# Allegro board FEE5_10_30.brd (continued)
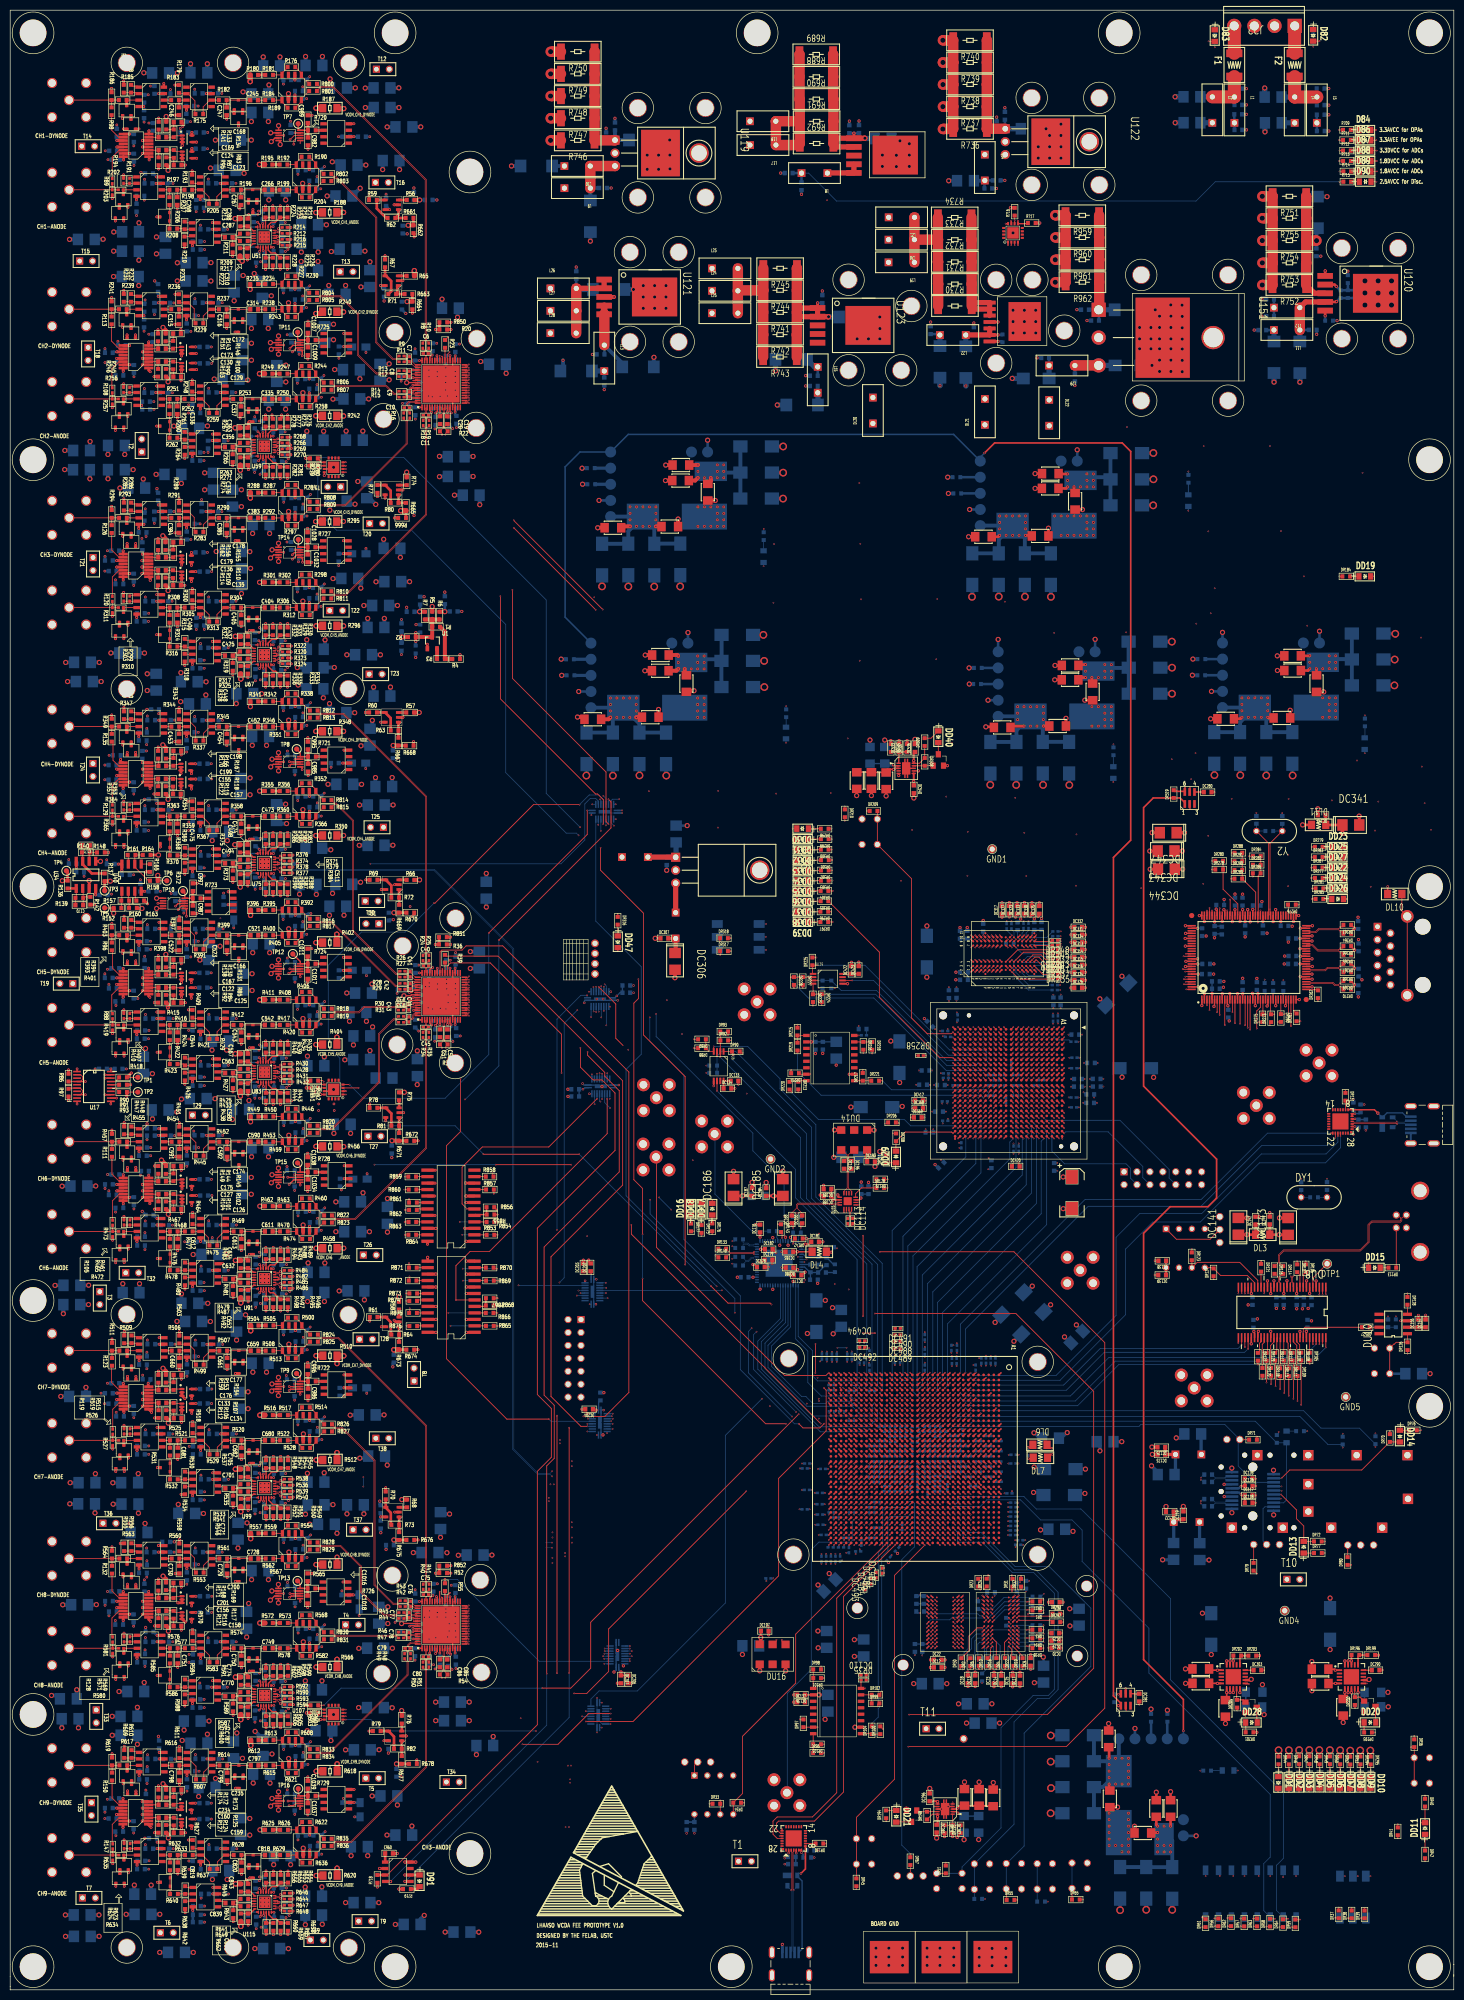
[diagram p0: board, top side]
## Routing (per net, layer and track width the routed paths; a pad name or vN(x,y) marks a point on that pad's centre or on a via; arc(x,y) is an arc through that point) (continued)
A7_S6_DATA12: length 57.4
  TOP w0.152: DU37.P19 v1(193.2,170.18) ; DU4.V1 v1(176.79,121.19)
  S2 w0.152: v1(176.79,121.19) 176.79,136.73 193.71,153.65 193.71,169.67 v1(193.2,170.18)
A7_S6_DATA13: length 60.5
  TOP w0.152: DU4.Y3 v1(174.79,119.19) ; DU37.T18 v1(191.2,171.18)
  BOTTOM w0.152: v1(191.2,171.18) 190.69,170.67 190.69,160.41 176.33,146.05 176.33,119.94 176.03,119.63 175.24,119.63 v1(174.79,119.19)
A7_S6_DATA14: length 56.6
  TOP w0.152: DU37.V20 v1(189.2,169.18) ; DU4.Y2 v1(174.79,120.19)
  BOTTOM w0.152: v1(189.2,169.18) 189.69,168.68 189.69,162.28 175.37,147.96 175.37,120.77 v1(174.79,120.19)
A7_S6_DATA15: length 58.4
  TOP w0.152: DU4.V3 v1(176.79,119.19) ; DU37.M21 v1(195.2,168.18)
  S2 w0.152: v1(195.2,168.18) 195.22,168.18 195.85,167.54 195.85,152.49 178.07,134.71 178.07,120.47 v1(176.79,119.19)
A7_S6_DATA16: length 0.6
  TOP w0.152: DU37.W20 v1(188.2,169.18)
  S2 w0.152: 188.2,169.15 v1(188.2,169.18)
A7_S6_DATA17: length 59.5
  TOP w0.152: DU4.AA4 v1(173.79,118.19) ; DU37.U20 v1(190.2,169.18)
  S2 w0.152: v1(173.79,118.19) 174.27,118.67 174.27,140.95 190.71,157.39 190.71,168.66 v1(190.2,169.18) 190.2,169.15
A7_S6_DATA18: length 59.7
  TOP w0.152: DU4.AB5 v1(172.79,117.19) ; DU37.R22 v1(192.2,167.18)
  S5 w0.152: v1(192.2,167.18) 192.2,164.75 172.24,144.8 172.24,117.73 v1(172.79,117.19)
A7_S6_DATA19: length 60.2
  TOP w0.152: DU4.AB4 v1(172.79,118.19) ; DU37.T20 v1(191.2,169.18)
  S4 w0.152: v1(172.79,118.19) 172.34,118.64 172.34,146.05 190.67,164.38 190.67,168.65 v1(191.2,169.18)
A7_S6_DATA20: length 58.5
  TOP w0.152: DU37.U19 v1(190.2,170.18) ; DU4.AB2 v1(172.79,120.19)
  S2 w0.152: v1(190.2,170.18) 190.14,170.18 189.77,169.8 189.77,158.52 173.21,141.96 173.21,120.61 v1(172.79,120.19)
A7_S6_DATA21: length 56.3
  TOP w0.152: DU4.AB1 v1(172.79,121.19) ; DU37.T21 v1(191.2,168.18)
  S4 w0.152: v1(191.2,168.18) 191.75,167.62 191.75,164 172.79,145.04 v1(172.79,121.19)
A7_S6_DATA22: length 56.6
  TOP w0.152: DU4.AA3 v1(173.79,119.19) ; DU37.Y21 v1(187.2,168.18)
  BOTTOM w0.152: v1(173.79,119.19) 173.26,119.72 173.26,149.09 187.72,163.55 187.72,167.65 v1(187.2,168.18) 187.2,168.17
A7_S6_DATA23: length 54.2
  TOP w0.152: DU37.W22 v1(188.2,167.18) ; DU4.AA2 v1(173.79,120.19)
  S3 w0.152: v1(173.79,120.19) 174.33,120.72 174.33,148.55 188.2,162.42 v1(188.2,167.18)
A7_S6_DATA24: length 0.6
  TOP w0.152: DU37.V22 v1(189.2,167.18)
A7_S6_DATA25: length 57.9
  TOP w0.152: DU4.AC1 v1(171.79,121.19) ; DU37.V19 v1(189.2,170.18)
  S4 w0.152: v1(171.79,121.19) 171.79,146.83 189.72,164.75 189.72,169.66 v1(189.2,170.18)
A7_S6_DATA26: length 0.6
  TOP w0.152: v1(191.2,172.18) DU37.T17
A7_S6_DATA27: length 0.6
  TOP w0.152: DU37.V21 v1(189.2,168.18)
A7_S6_DATA28: length 65.7
  TOP w0.152: DU37.R17 v1(192.2,172.18) ; DU4.AB6 v1(172.79,116.19)
  S5 w0.152: v1(192.2,172.18) 192.75,171.62 192.75,163.05 173.34,143.63 173.34,116.73 v1(172.79,116.19)
A7_S6_DATA29: length 63.7
  TOP w0.152: DU37.R20 v1(192.2,169.18) ; DU4.AA7 v1(173.79,115.19)
  S4 w0.152: v1(192.2,169.18) 192.7,168.68 192.7,162.72 173.3,143.32 173.3,115.68 v1(173.79,115.19)
A7_S6_DATA30: length 0.6
  TOP w0.152: DU37.Y22 v1(187.2,167.18)
A7_S6_DATA31: length 0.6
  TOP w0.152: v1(190.2,167.18) DU37.U22
A7_SFP_CLK_C_N1: length 57.6
  TOP w0.102: DC114.1 165.28,150.25 v1(165.28,149.99)
  TOP w0.152: DU4.G18 v1(188.65,103.32)
  S1 w0.102: v1(165.28,149.99) 165.28,149.89 165.13,149.73 165.13,149.1 188.26,125.97 188.26,103.72 v1(188.65,103.32)
A7_SFP_CLK_C_N2: length 0.6
  TOP w0.152: DU4.G20 v1(188.65,101.32)
A7_SFP_CLK_C_P1: length 57.6
  TOP w0.102: DC113.1 164.77,150.26 v1(164.77,149.99)
  TOP w0.152: DU4.H18 v1(187.65,103.32)
  S1 w0.102: v1(187.65,103.32) 188.05,103.72 188.05,125.88 164.92,149.01 164.92,149.74 164.77,149.89 v1(164.77,149.99)
A7_SFP_CLK_C_P2: length 0.6
  TOP w0.152: DU4.H20 v1(187.65,101.32)
A7_SFP_CLK_N: length 2
  TOP w0.102: DU15.4 165.28,152.91 165.13,152.77 165.13,151.83 DC114.2
A7_SFP_CLK_P: length 2
  TOP w0.102: DU15.3 164.78,152.91 164.92,152.77 164.92,151.83 DC113.2
A7_SFP_LOS: length 78.7
  TOP w0.152: DU4.G11 v1(188.65,111.19)
  BOTTOM w0.152: 248.24,95.62 248.25,95.61 ; 248.24,95.62 250.13,95.62 250.73,96.22 DD12.2 250.72,107.41 DR73.1 244.57,111.65 189.12,111.65 v1(188.65,111.19) ; 248.24,95.62 DU5.8
A7_SFP_RX_N: length 49.2
  TOP w0.102: DU4.E21 v1(190.65,100.32)
  S5 w0.102: v1(233.86,95.52) 233.81,95.52 233.67,95.66 205.58,95.66 199.55,101.69 190.33,101.69 190.26,101.61 190.26,100.71 v1(190.65,100.32)
  BOTTOM w0.102: DC131.2 234.35,94.95 233.86,95.43 v1(233.86,95.52)
A7_SFP_RX_P: length 49.5
  TOP w0.102: DU4.F21 v1(189.65,100.32)
  S5 w0.102: v1(233.88,95.97) 233.88,95.96 233.8,95.88 205.67,95.88 199.64,101.9 190.24,101.9 190.05,101.7 190.05,100.72 v1(189.65,100.32)
  BOTTOM w0.102: DC129.1 234.27,96.36 v1(233.88,95.97)
A7_SFP_SCL: length 96.9
  TOP w0.152: DU4.K10 v1(185.65,112.19)
  S2 w0.152: v1(261.77,106.49) 259.13,106.49 250.65,98.01 v1(249.75,98.01)
  BOTTOM w0.152: v1(261.77,106.49) DR75.1 258.85,107.09 253.34,112.6 186.07,112.6 v1(185.65,112.19) ; DU5.5 248.24,98.01 v1(249.75,98.01)
A7_SFP_SDA: length 109.1
  TOP w0.152: DU4.H8 v1(187.65,114.19)
  S4 w0.152: v1(268.19,106.62) 268.19,104.5 265.51,101.82 254.46,101.82 251.49,98.85 v1(249.73,98.85)
  BOTTOM w0.152: v1(249.73,98.85) 248.21,98.85 DU5.4 ; v1(187.65,114.19) 188.12,113.72 254.06,113.72 257.49,110.29 265.06,110.29 DR74.1 v1(268.19,106.62)
A7_SFP_TX_N: length 44.8
  TOP w0.102: DU4.A23 v1(194.65,98.32)
  S1 w0.102: v1(233.89,100.57) 233.78,100.57 233.67,100.46 209.37,100.46 205.32,96.41 194.71,96.41 194.26,96.85 194.26,97.93 v1(194.65,98.32)
  BOTTOM w0.102: v1(233.89,100.57) 233.89,100.65 234.41,101.17 DC132.1
A7_SFP_TX_P: length 45
  TOP w0.102: DU4.B23 v1(193.65,98.32)
  S1 w0.102: v1(193.65,98.32) 194.05,97.93 194.05,96.76 194.62,96.19 205.41,96.19 209.46,100.24 233.66,100.24 233.76,100.13 v1(233.88,100.13)
  BOTTOM w0.102: DC130.1 234.37,99.74 233.97,100.13 v1(233.88,100.13)
A7_SFP_TXDISABLE: length 74.5
  TOP w0.152: DJ4.1 241.59,108.03 DR71.1 ; DU4.L12 v1(184.65,110.19)
  BOTTOM w0.152: v1(184.65,110.19) 185.11,110.64 221.75,110.64 222.1,111 238.62,111 DJ4.1 241.23,107.76 241.23,102.85 244.43,99.65 DU5.3
A7_TCK: length 68
  TOP w0.152: DU4.AE12 v1(169.79,110.19)
  S3 w0.152: v1(169.79,110.19) 169.34,109.74 130.73,109.74 115.19,125.28 110.84,125.28 DJ2.6
A7_TDI: length 66.7
  TOP w0.152: DU4.AE14 v1(169.79,108.19)
  S3 w0.152: DJ2.10 110.69,120.36 115.03,120.36 127.66,107.73 169.34,107.73 v1(169.79,108.19)
A7_TDO: length 68.3
  TOP w0.152: DU4.AD13 v1(170.79,109.19)
  S3 w0.152: v1(170.79,109.19) 170.3,108.7 129.23,108.7 115.35,122.59 111,122.59 DJ2.8
A7_TMS: length 69
  TOP w0.152: DU4.AE13 v1(169.79,109.19)
  S5 w0.152: v1(169.79,109.19) 169.19,109.78 151.36,109.78 149.82,111.33 148.4,111.33 147.3,112.42 130.59,112.42 115.17,127.84 110.82,127.84 DJ2.4
A7_USB_DATA0: length 65.4
  TOP w0.152: DU4.G7 v1(188.65,115.19) ; DU8.25 v1(243.18,136.79)
  S2 w0.152: v1(188.65,115.19) 189.06,115.59 210.77,115.59 229.83,134.65 241.31,134.65 243.18,136.51 v1(243.18,136.79)
A7_USB_DATA1: length 65.8
  TOP w0.152: DU4.H6 v1(187.65,116.19) ; DU8.26 v1(242.54,136.73)
  S5 w0.152: v1(187.65,116.19) 188.22,115.62 208,115.62 227.45,135.07 240.96,135.07 242.54,136.65 v1(242.54,136.73)
A7_USB_DATA2: length 63.6
  TOP w0.152: DU8.27 v1(241.91,136.82) ; DU4.G6 v1(188.65,116.19)
  S2 w0.152: v1(241.91,136.82) 241.91,136.75 241.07,135.92 225.66,135.92 206.43,116.69 189.15,116.69 v1(188.65,116.19)
A7_USB_DATA3: length 64.5
  TOP w0.152: DU8.28 v1(241.27,136.75) ; DU4.J4 v1(186.65,118.19)
  S5 w0.152: v1(241.27,136.75) 226.54,136.75 207.52,117.73 187.11,117.73 v1(186.65,118.19)
A7_USB_DATA4: length 56.1
  TOP w0.152: DU4.F2 v1(189.65,120.19) ; v1(241.25,127.03) 241.27,127.05 DU8.29
  S4 w0.152: v1(241.25,127.03) 211.67,127.03 205.27,120.63 190.09,120.63 v1(189.65,120.19)
A7_USB_DATA5: length 57.7
  TOP w0.152: v1(241.9,126.63) 241.91,126.63 DU8.30 ; DU4.F3 v1(189.65,119.19)
  BOTTOM w0.152: v1(241.9,126.63) 241.2,125.92 214.12,125.92 206.94,118.75 190.09,118.75 v1(189.65,119.19)
A7_USB_DATA6: length 59.7
  TOP w0.152: DU4.G4 v1(188.65,118.19) ; DU8.31 242.54,126.23 v1(242.53,126.22)
  S4 w0.152: v1(242.53,126.22) 241.66,125.35 216.08,125.35 209.43,118.71 189.17,118.71 v1(188.65,118.19)
A7_USB_DATA7: length 61.9
  TOP w0.152: DU4.H4 v1(187.65,118.19) ; DU8.32 243.18,125.87 v1(243.16,125.85)
  BOTTOM w0.152: v1(243.16,125.85) 242.49,125.18 214.91,125.18 207.46,117.72 188.11,117.72 v1(187.65,118.19)
A7_USB_DATA8: length 73.1
  TOP w0.152: DU4.G5 v1(188.65,117.19) ; DU8.52 v1(255.9,126.75)
  S4 w0.152: v1(188.65,117.19) 189.09,117.62 211.69,117.62 218.78,124.72 253.87,124.72 v1(255.9,126.75)
A7_USB_DATA9: length 76.2
  TOP w0.152: DU4.J5 v1(186.65,117.19) ; DU8.53 v1(256.54,126.78)
  BOTTOM w0.152: v1(256.54,126.78) 253.94,124.18 215.84,124.18 208.28,116.61 187.22,116.61 v1(186.65,117.19)
A7_USB_DATA10: length 78
  TOP w0.152: DU4.K5 v1(185.65,117.19) ; DU8.54 v1(257.17,126.78)
  S4 w0.152: v1(257.17,126.78) 257.17,126.5 254.57,123.9 223.14,123.9 215.88,116.63 186.2,116.63 v1(185.65,117.19)
A7_USB_DATA11: length 79.1
  TOP w0.152: DU4.K6 v1(185.65,116.19) ; DU8.55 v1(257.81,126.79)
  S4 w0.152: v1(257.81,126.79) 257.81,126.32 254.7,123.22 227.11,123.22 219.59,115.69 186.14,115.69 v1(185.65,116.19)
A7_USB_DATA12: length 78.9
  TOP w0.152: DU8.56 v1(258.44,126.14) ; DU4.J6 v1(186.65,116.19)
  BOTTOM w0.152: v1(186.65,116.19) 187.22,115.62 209.24,115.62 217.07,123.45 255.76,123.45 v1(258.44,126.14)
A7_USB_DATA13: length 85.2
  TOP w0.152: DU8.1 v1(258.44,136.56) ; DU4.J11 v1(186.65,111.19)
  S2 w0.152: v1(186.65,111.19) 187.11,111.64 216.43,111.64 235.09,130.3 253.63,130.3 258.44,135.11 v1(258.44,136.56)
A7_USB_DATA14: length 85.8
  TOP w0.152: DU8.2 v1(257.81,136.54) ; DU4.L10 v1(184.65,112.19)
  S2 w0.152: v1(257.81,136.54) 257.81,135.6 253.31,131.1 233.89,131.1 215.49,112.7 185.17,112.7 v1(184.65,112.19)
A7_USB_DATA15: length 83.3
  TOP w0.152: DU8.3 v1(257.17,136.51) ; DU4.K8 v1(185.65,114.19)
  S2 w0.152: v1(257.17,136.51) 255.95,135.3 247.44,135.3 244.6,132.45 233.47,132.45 214.64,113.63 186.21,113.63 v1(185.65,114.19)
A7_USB_FIFOADR0: length 69.3
  TOP w0.152: DU4.G10 v1(188.65,112.19) ; DR111.2 v1(251.17,116.66)
  S4 w0.152: v1(188.65,112.19) 189.21,111.63 246.14,111.63 v1(251.17,116.66)
A7_USB_FIFOADR1: length 77.1
  TOP w0.152: v1(252.07,116.04) 252.07,123.4 DR110.2 ; DU4.K11 v1(185.65,111.19)
  S5 w0.152: v1(185.65,111.19) 186.21,110.63 246.66,110.63 v1(252.07,116.04)
A7_USB_FLAGA: length 63.4
  TOP w0.152: DR122.2 245.1,122.8 v1(245.08,122.79) ; DU4.J8 v1(186.65,114.19)
  BOTTOM w0.152: v1(245.08,122.79) 217.79,122.79 209.7,114.7 187.17,114.7 v1(186.65,114.19)
A7_USB_FLAGB: length 65.4
  TOP w0.152: DU4.L9 v1(184.65,113.19) ; DR120.2 v1(246,119.88)
  S5 w0.152: v1(184.65,113.19) 185.14,113.67 239.79,113.67 v1(246,119.88)
A7_USB_FLAGC: length 68
  TOP w0.152: DR119.2 v1(246.79,119.24) ; DU4.J9 v1(186.65,113.19)
  S5 w0.152: v1(186.65,113.19) 187.15,112.68 240.23,112.68 v1(246.79,119.24)
A7_USB_FLAGD: length 80.9
  TOP w0.152: DU4.K12 v1(185.65,110.19) ; DR108.2 v1(253.59,114.89)
  S2 w0.152: v1(185.65,110.19) 186.26,109.58 198.61,109.58 200.02,108.18 209.13,108.18 210.54,109.58 248.29,109.58 v1(253.59,114.89)
A7_USB_IFCLK: length 72.2
  TOP w0.152: DU4.K7 v1(185.65,115.19) ; DU8.20 v1(246.35,136.75)
  S2 w0.152: v1(246.35,136.75) 246.35,136.2 243.71,133.57 232.24,133.57 213.32,114.65 186.19,114.65 v1(185.65,115.19)
A7_USB_INT0: length 66.5
  TOP w0.152: DR118.2 v1(247.69,118.92) ; DU4.J10 v1(186.65,112.19)
  S5 w0.152: v1(186.65,112.19) 187.11,111.73 240.5,111.73 v1(247.69,118.92)
A7_USB_INT1: length 67.8
  TOP w0.152: DU4.G9 v1(188.65,113.19) ; DR117.2 248.57,123.46 v1(248.57,118.52)
  S4 w0.152: v1(248.57,118.52) 243.81,113.76 189.23,113.76 v1(188.65,113.19)
A7_USB_PKTEND: length 73
  TOP w0.152: DR109.2 v1(252.88,115.63) ; DU4.H11 v1(187.65,111.19)
  S4 w0.152: v1(252.88,115.63) 247.97,110.72 188.12,110.72 v1(187.65,111.19)
A7_USB_SLOE: length 67.4
  TOP w0.152: DR115.2 v1(249.46,117.93) ; DU4.H9 v1(187.65,113.19)
  S4 w0.152: v1(187.65,113.19) 187.65,113.11 188.03,112.73 244.26,112.73 v1(249.46,117.93)
A7_USB_SLRD: length 81.1
  TOP w0.152: DR106.1 v1(254.5,143.07) ; DU4.J3 v1(186.65,119.19)
  S2 w0.152: v1(254.5,143.07) 254.5,140.29 251.87,137.66 222.49,137.66 203.5,118.67 187.04,118.67 186.65,119.05 v1(186.65,119.19)
A7_USB_SLWR: length 78.4
  TOP w0.152: DR107.1 v1(252.82,143.09) ; DU4.H3 v1(187.65,119.19)
  S5 w0.152: v1(187.65,119.19) 188.11,119.64 207.74,119.64 226.51,138.4 251.6,138.4 252.82,139.63 v1(252.82,143.09)
A7_USB_UART2_CTS: length 98.8
  TOP w0.152: v1(259.5,168.22) 259.5,168.22 DU12.22 ; DU4.J1 v1(186.65,121.19)
  BOTTOM w0.152: v1(259.5,168.22) 247,168.22 233.96,155.19 211.14,155.19 186.65,130.7 v1(186.65,121.19)
A7_USB_UART2_RTS: length 98.3
  TOP w0.152: DU4.H1 v1(187.65,121.19) ; v1(260.31,167.33) 260.31,167.33 DU12.23
  BOTTOM w0.152: v1(187.65,121.19) 187.65,129.74 211.76,153.85 233.91,153.85 245.83,165.77 258.76,165.77 v1(260.31,167.33)
A7_USB_UART2_RX: length 102.7
  TOP w0.152: DU4.G1 v1(188.65,121.19) ; v1(260.81,167.66) 260.81,167.68 DU12.24
  BOTTOM w0.152: v1(188.65,121.19) 189.19,120.65 205.46,120.65 217.24,132.43 217.24,147.77 221.89,152.43 234.08,152.43 245.78,164.13 258.49,164.13 260.81,166.46 v1(260.81,167.66)
A7_USB_UART2_TX: length 102.8
  TOP w0.152: DU12.25 261.31,167.71 261.32,167.71 v1(261.32,167.64) ; DU4.G2 v1(188.65,120.19)
  BOTTOM w0.152: v1(261.32,167.64) 261.32,165.34 258.36,162.38 245.41,162.38 233.79,150.77 224.42,150.77 219.1,145.45 219.1,132.55 206.24,119.69 189.15,119.69 v1(188.65,120.19)
A7_USB_UART_CTS: length 70.4
  TOP w0.152: DU11.22 151.62,31.55 v1(151.62,31.55) ; DU4.Y33 v1(174.79,88.32)
  S2 w0.152: v1(151.62,31.55) 152.57,32.5 157.84,32.5 164.21,38.88 164.21,77.08 174.36,87.23 174.36,87.89 v1(174.79,88.32)
A7_USB_UART_RTS: length 71.6
  TOP w0.152: DU4.AA34 v1(173.79,87.32) 163.71,77.24 163.71,38.85 157.99,33.13 150.95,33.13 150.54,32.72 150.54,31.49 151.3,30.73 DU11.23
A7_USB_UART_RX: length 72.2
  TOP w0.152: v1(151.14,30.24) 151.61,30.24 DU11.24 ; DU4.AA33 v1(173.79,88.32)
  S2 w0.152: v1(173.79,88.32) 173.28,87.81 173.28,86.81 162.94,76.47 162.94,38.94 157.59,33.6 152.25,33.6 150.55,31.9 150.55,30.83 v1(151.14,30.24)
A7_USB_UART_TX: length 73
  TOP w0.152: DU4.AB34 v1(172.79,87.32) 162.37,76.9 162.37,38.72 157.59,33.94 150.67,33.94 149.85,33.12 149.85,30.56 150.68,29.73 DU11.25
A7_USB_WU2: length 72.6
  TOP w0.152: DR112.2 250.28,123.48 v1(250.28,117.17) ; DU4.H12 v1(187.65,110.19)
  S2 w0.152: v1(187.65,110.19) 188.09,110.62 243.73,110.62 v1(250.28,117.17)
A7GNDADC: length 28.8
  TOP w0.254: DU4.V18 177.2,103.75 v1(176.86,103.42) ; v2(199.93,106.52) 200.4,106.52 DL6.2 ; DU4.T17 179.24,104.75 v1(179.59,105.11) ; v1(178.57,105.09) 178.23,104.75 DU4.U17
  S5 w0.254: v2(199.93,106.52) 196.58,106.52 194.45,104.38 180.32,104.38 v1(179.59,105.11) 179.58,105.09 v1(178.57,105.09) 178.54,105.09 176.87,103.42 v1(176.86,103.42)
  BOTTOM w0.254: DC544.2 179.23,104.74 v1(179.59,105.11) ; v2(199.93,106.52) 199.93,105.93 DC543.2
AD9522_CLK_TEST_N: length 11.2
  TOP w0.102: DU15.15 162.82,154.48 154.74,154.48 154.42,154.17 154.42,153.44 153.55,152.57 DC168.2
AD9522_CLK_TEST_P: length 10.9
  TOP w0.102: DU15.16 162.82,154.26 154.83,154.26 154.64,154.08 154.64,153.43 155.57,152.49 DC166.2
AD9522_CLKIN_N: length 37.6
  TOP w0.152: DU4.AM1 v1(162.79,121.19)
  S1 w0.102: v1(154.34,152.55) 154.34,152.45 154.45,152.34 154.45,147.06 163.24,138.27 163.24,120.96 163.14,120.85 162.92,120.85 162.79,120.99 v1(162.79,121.19)
  BOTTOM w0.102: v1(154.34,152.55) 154.34,152.32 DC169.1
AD9522_CLKIN_P: length 37.8
  TOP w0.152: DU4.AL2 v1(163.79,120.19)
  S1 w0.102: v1(163.79,120.19) 163.46,120.52 163.46,138.36 154.66,147.15 154.66,152.35 154.77,152.46 v1(154.77,152.55)
  BOTTOM w0.102: v1(154.77,152.55) 154.77,152.33 DC167.1
AD9522_EEPROM: length 46.1
  TOP w0.152: DU4.AE7 v1(169.79,115.19)
  BOTTOM w0.152: v1(169.79,115.19) 169.32,114.72 169.32,112.84 169.16,112.68 157.58,112.68 148.28,121.98 148.28,126.98 152.3,131 DU13.22
AD9522_NCS: length 35.3
  TOP w0.152: DU4.AF9 v1(168.79,113.19)
  S4 w0.152: v1(156.16,139.42) 159.76,139.42 169.27,129.91 169.27,113.67 v1(168.79,113.19)
  BOTTOM w0.152: DU13.15 v1(156.16,139.42)
AD9522_NPD: length 46.2
  TOP w0.152: DU4.AF12 v1(168.79,110.19)
  BOTTOM w0.152: v1(168.79,110.19) 168.17,109.57 159.16,109.57 146.86,121.86 146.86,127.38 151.3,131.81 DU13.24
AD9522_NRESET: length 49.2
  TOP w0.152: DU4.AE8 v1(169.79,114.19)
  BOTTOM w0.152: DU13.23 151.8,131.51 147.55,127.26 147.55,121.9 158.88,110.56 160.63,110.56 160.63,110.57 168.71,110.57 169.41,111.27 169.41,111.34 169.63,111.57 169.71,111.57 170.34,112.19 170.34,113.64 v1(169.79,114.19)
AD9522_NSYNC: length 37.6
  TOP w0.152: DU4.AD8 v1(170.79,114.19)
  S2 w0.152: v1(170.79,114.19) 170.28,114.69 170.28,131.17 158.54,142.92 v1(156.03,142.92)
  BOTTOM w0.152: DU13.8 v1(156.03,142.92)
AD9522_REF_SEL: length 40.5
  TOP w0.152: DU4.AD9 v1(170.79,113.19)
  S3 w0.152: v1(156.43,143.42) 160.48,143.42 171.2,132.7 171.2,113.59 v1(170.79,113.19)
  BOTTOM w0.152: DU13.7 v1(156.43,143.42)
AD9522_SCLK: length 32.9
  TOP w0.152: DU4.AF8 v1(168.79,114.19)
  S4 w0.152: v1(155.94,138.92) 157.02,137.85 159.85,137.85 168.3,129.4 168.3,114.68 v1(168.79,114.19)
  BOTTOM w0.152: DU13.16 v1(155.94,138.92)
AD9522_SDIO: length 31.6
  TOP w0.152: DU4.AH6 v1(166.79,116.19)
  BOTTOM w0.152: DU13.17 154.8,128.32 157.63,125.49 157.63,120.55 158.61,119.57 165.07,119.57 165.36,119.28 165.36,118.9 165.56,118.69 165.84,118.69 166.41,118.11 166.41,116.57 v1(166.79,116.19)
AD9522_SDO: length 32.6
  TOP w0.152: DU4.AH7 v1(166.79,115.19)
  BOTTOM w0.152: 154.3,138.31 DU13.18 154.3,127.81 156.69,125.43 156.69,119.26 159.34,116.6 165.12,116.6 165.35,116.38 165.35,116.06 165.66,115.75 166.22,115.75 v1(166.79,115.19)
AD9522_SP0: length 40
  TOP w0.152: DU4.AH9 v1(166.79,113.19)
  BOTTOM w0.152: v1(166.79,113.19) 165.39,114.58 156.48,114.58 148.87,122.19 148.87,126.57 152.8,130.5 DU13.21
AD9522_SP1: length 39.1
  TOP w0.152: DU4.AH8 v1(166.79,114.19)
  BOTTOM w0.152: DU13.20 153.3,130.18 149.56,126.44 149.56,122.42 155.5,116.48 156.33,116.48 157.71,115.1 160.17,115.1 160.63,115.57 164.95,115.57 165.41,115.11 165.41,115.03 165.63,114.8 166.17,114.8 v1(166.79,114.19)
ADC1_1_N: length 2.9
  TOP w0.102: U2.46 81.77,320.07 81.77,320.97 82.11,321.31 C6.2 81.84,321.61 81.84,321.96 R10.1
ADC1_1_P: length 2.9
  TOP w0.102: R8.1 81.43,321.96 81.43,321.61 C6.1 81.19,321.31 81.54,320.96 81.54,320.06 U2.47
ADC1_2_N: length 3.4
  TOP w0.102: R11.1 77.76,320.04 78.11,320.04 C7.2 79.44,318.7 79.95,318.7 U2.50
ADC1_2_P: length 4
  TOP w0.102: R9.1 77.86,320.35 78.07,320.35 C7.1 78.96,320.2 78.96,319.72 79.6,319.08 U2.49
ADC1_3_N: length 3.3
  TOP w0.102: 78.42,317.82 78.42,317.76 78.75,317.44 79.92,317.44 U2.52 ; 78.42,317.82 78.07,317.47 77.84,317.47 R13.1 ; 78.42,317.82 C8.2
ADC1_3_P: length 3.2
  TOP w0.102: U2.53 79.92,317.22 78.74,317.22 78.42,316.91 78.42,316.87 ; R12.1 77.77,317.16 78.14,317.16 78.42,316.87 ; 78.42,316.87 C8.1
ADC1_4_N: length 3.2
  TOP w0.102: 78.43,312.81 78.82,313.2 79.94,313.2 U2.61 ; 78.43,312.81 78.43,312.83 78.15,313.12 77.77,313.12 R15.1 ; 78.43,312.81 C9.2
ADC1_4_P: length 3.2
  TOP w0.102: U2.60 79.89,313.41 78.82,313.41 C9.1 78.12,313.48 77.83,313.48 R14.1
ADC1_5_N: length 4.8
  TOP w0.102: U2.63 79.91,311.93 78.29,311.93 77.79,311.44 77.79,311.05 C10.2 77.74,310.34 77.74,310.1 77.31,309.67 R17.1
ADC1_5_P: length 4.5
  TOP w0.102: U2.64 79.92,311.72 78.38,311.72 78.01,311.35 78.01,311.05 78.39,310.67 C10.1 78.1,310.34 78.1,310.02 R16.1
ADC1_6_N: length 3.1
  TOP w0.102: R19.1 81.88,308.59 81.88,308.91 C11.2 82.14,309.23 81.8,309.57 81.8,310.62 U2.3
ADC1_6_P: length 3.1
  TOP w0.102: R18.1 81.56,308.6 81.56,308.85 C11.1 81.22,309.23 81.52,309.53 81.52,310.62 U2.2
ADC2_1_N: length 3
  TOP w0.102: U3.46 81.76,199.82 81.76,200.61 C40.2 81.86,201.41 81.86,201.71 R25.1
ADC2_1_P: length 2.9
  TOP w0.102: R24.1 81.51,201.69 81.51,201.37 C40.1 81.55,200.7 81.55,200.7 81.55,199.83 U3.47
ADC2_2_N: length 3
  TOP w0.102: R27.1 77.59,198.86 77.96,199.23 78.28,199.23 C41.2 78.91,198.92 79.43,198.39 79.99,198.39 U3.50
ADC2_2_P: length 3.4
  TOP w0.102: U3.49 79.98,198.76 79.66,198.76 78.6,199.82 C41.1 78.25,199.58 78.03,199.58 77.58,200.03 R26.1
ADC2_3_N: length 3
  TOP w0.102: R28.1 77.62,197.63 78.04,197.21 78.26,197.21 C42.2 78.97,197.2 79.92,197.2 U3.52
ADC2_3_P: length 3.1
  TOP w0.102: U3.53 79.91,196.98 78.95,196.98 78.61,196.63 C42.1 78.29,196.87 77.97,196.87 R29.1
ADC2_4_N: length 3.4
  TOP w0.102: R31.1 77.65,192.76 77.97,192.76 C43.2 78.71,192.82 79.19,192.82 79.34,192.98 79.91,192.98 U3.61
ADC2_4_P: length 3.4
  TOP w0.102: U3.60 79.91,193.19 79.25,193.19 79.1,193.04 78.7,193.04 C43.1 77.99,193.12 77.71,193.12 R30.1
ADC2_5_N: length 4
  TOP w0.102: U3.63 79.91,191.69 79.34,191.69 79.09,191.44 79.09,190.88 78.93,190.73 78.67,190.73 C44.2 77.98,190.7 77.74,190.7 R32.1
ADC2_5_P: length 4.1
  TOP w0.102: U3.64 79.91,191.47 79.44,191.47 79.3,191.34 79.3,190.79 79.02,190.52 78.7,190.52 78.34,190.15 C44.1 78.01,190.37 77.68,190.37 R33.1
ADC2_6_N: length 3
  TOP w0.102: U3.3 81.76,190.34 81.76,189.38 82.09,189.06 C45.2 81.85,188.75 81.85,188.43 R35.1
ADC2_6_P: length 3
  TOP w0.102: R34.1 81.49,188.42 81.49,188.71 C45.1 81.2,189.06 81.55,189.4 81.55,190.34 U3.2
ADC3_1_N: length 2.9
  TOP w0.102: U4.46 81.78,76.38 81.78,77.26 82.13,77.6 C75.2 81.89,77.91 81.89,78.24 R41.1
ADC3_1_P: length 2.9
  TOP w0.102: R40.1 81.51,78.26 81.51,77.93 C75.1 81.55,77.23 81.55,76.4 U4.47
ADC3_2_N: length 3
  TOP w0.102: U4.50 79.97,74.99 79.39,74.99 79.07,75.31 78.69,75.31 C76.2 78.67,75.35 78.37,75.64 78.05,75.64 77.67,75.26 R42.1
ADC3_2_P: length 3.1
  TOP w0.102: R43.1 77.63,76.42 78.04,76.02 78.38,76.02 C76.1 78.67,76.22 79.48,75.41 80.05,75.41 U4.49
ADC3_3_N: length 3.3
  TOP w0.102: U4.52 79.9,73.75 78.72,73.75 C77.2 78.4,73.98 78.11,73.69 77.76,73.69 R45.1
ADC3_3_P: length 3.3
  TOP w0.102: U4.53 79.93,73.53 78.77,73.53 78.4,73.17 78.4,73.09 ; 78.4,73.09 78.13,73.37 77.8,73.37 R44.1 ; 78.4,73.09 C77.1
ADC3_4_N: length 3.3
  TOP w0.102: R47.1 77.68,69.46 78.03,69.46 78.33,69.16 ; 78.33,69.16 78.33,69.18 78.7,69.54 79.92,69.54 U4.61 ; 78.33,69.16 C78.2
ADC3_4_P: length 3.3
  TOP w0.102: R46.1 77.74,69.81 78,69.81 C78.1 78.33,70.08 78.65,69.76 79.91,69.76 U4.60
ADC3_5_N: length 4.6
  TOP w0.102: U4.63 79.91,68.27 78.63,68.27 78,67.63 78,67.35 77.7,67.05 C79.2 77.88,66.73 77.88,66.43 R49.1
ADC3_5_P: length 4.1
  TOP w0.102: R48.1 78.26,66.41 78.26,66.73 C79.1 78.5,67.05 78.21,67.33 78.21,67.54 78.72,68.05 79.91,68.05 U4.64
ADC3_6_N: length 3.2
  TOP w0.102: R51.1 81.86,64.75 81.86,65.08 C80.2 81.75,65.82 81.75,66.9 U4.3
ADC3_6_P: length 3.2
  TOP w0.102: R50.1 81.47,64.72 81.47,65.09 C80.1 81.54,65.77 81.54,66.92 U4.2
ADC_N_DCO1: length 240.7
  TOP w0.102: v1(90.13,314.58) 90.06,314.58 89.95,314.69 89.36,314.69 U2.23 ; DU4.AL7 164.22,114.75 v1(163.8,115.17)
  S5 w0.102: v1(163.8,115.17) 163.15,115.83 163.15,116.33 162.92,116.56 148.59,116.56 101.54,163.62 101.54,304.51 91.38,314.67 90.24,314.67 90.15,314.58 v1(90.13,314.58)
ADC_N_DCO2: length 168.2
  TOP w0.102: DU4.AL29 v1(163.79,92.32) ; v1(90.14,194.34) 90.04,194.45 89.37,194.45 U3.23
  S4 w0.102: v1(90.14,194.34) 90.25,194.46 91.07,194.46 94.2,191.32 94.2,160.62 94.19,160.61 94.19,160.13 94.2,160.12 94.2,105.23 103.26,96.17 105.59,96.17 v1(105.81,95.96)
  S5 w0.102: v1(105.81,95.96) 106.06,96.21 106.87,96.21 106.87,96.21 ; v1(163.79,92.32) 163.4,92.72 151.05,92.72 147.56,96.21 106.87,96.21 ; 106.87,96.21 106.87,96.21 ; 106.87,96.21 106.87,96.21
ADC_N_DCO3: length 88
  TOP w0.102: v1(90.07,70.91) 90.01,70.91 89.88,71.03 89.38,71.03 U4.23 ; DU4.AG30 v1(167.79,91.32)
  S3 w0.102: v1(167.79,91.32) 167.4,91.71 145.92,91.71 125.25,71.04 90.74,71.04 90.21,71.05 v1(90.07,70.91)
ADC_N_FCO1: length 241.7
  TOP w0.102: v1(90.12,315.49) 89.88,315.72 89.4,315.72 U2.25 ; DU4.AK6 165.22,115.96 v1(164.97,116.22)
  S5 w0.102: v1(164.97,116.22) 164.93,116.22 164.09,117.06 164.09,117.26 163.76,117.59 149.71,117.59 102.95,164.34 102.95,305.12 92.37,315.71 90.34,315.71 v1(90.12,315.49)
ADC_N_FCO2: length 167.8
  TOP w0.102: U3.25 89.38,195.46 90.02,195.46 v1(90.13,195.35) ; DU4.AM30 v1(162.79,91.32)
  S4 w0.102: v1(162.79,91.32) 162.88,91.32 163.03,91.47 163.03,91.56 162.87,91.71 134.35,91.71 130.39,95.67 107.6,95.67 96.55,106.72 96.55,191.78 92.84,195.5 90.28,195.5 v1(90.13,195.35)
ADC_N_FCO3: length 87
  TOP w0.102: DU4.AH29 167.2,92.75 v1(166.78,92.33) ; U4.25 89.37,72.02 89.95,72.02 90.06,71.91 v1(90.07,71.91)
  S3 w0.102: v1(90.07,71.91) 90.2,72.04 121.76,72.04 142.42,92.7 166.41,92.7 v1(166.78,92.33) 166.79,92.32
ADC_P_DCO1: length 241.8
  TOP w0.102: v1(164.8,115.18) 165.22,114.76 DU4.AK7 ; v1(90.13,315.01) 90.09,315.01 90.02,314.94 89.4,314.94 U2.24
  S5 w0.102: v1(90.13,315.01) 90.2,315.01 90.33,314.88 91.47,314.88 101.75,304.6 101.75,163.71 148.68,116.78 163.01,116.78 163.43,116.36 163.43,115.91 163.81,115.53 164.46,115.53 v1(164.8,115.18)
